# Altium PCB Bran_Main_Assay_PCB_v2_20170826.pcbdoc (part 3 of 4)
Units mm, origin at the board's own origin, x right, y up, seen from the top; angles counter-clockwise.
Board outline 91.65 x 48.25 mm, 6 copper layers (TOP, GND1, Singal, POWER, GND2, BOTTOM), stack 0.8 mm thick; 367 components, 288 nets, 1408 pads, 966 vias.
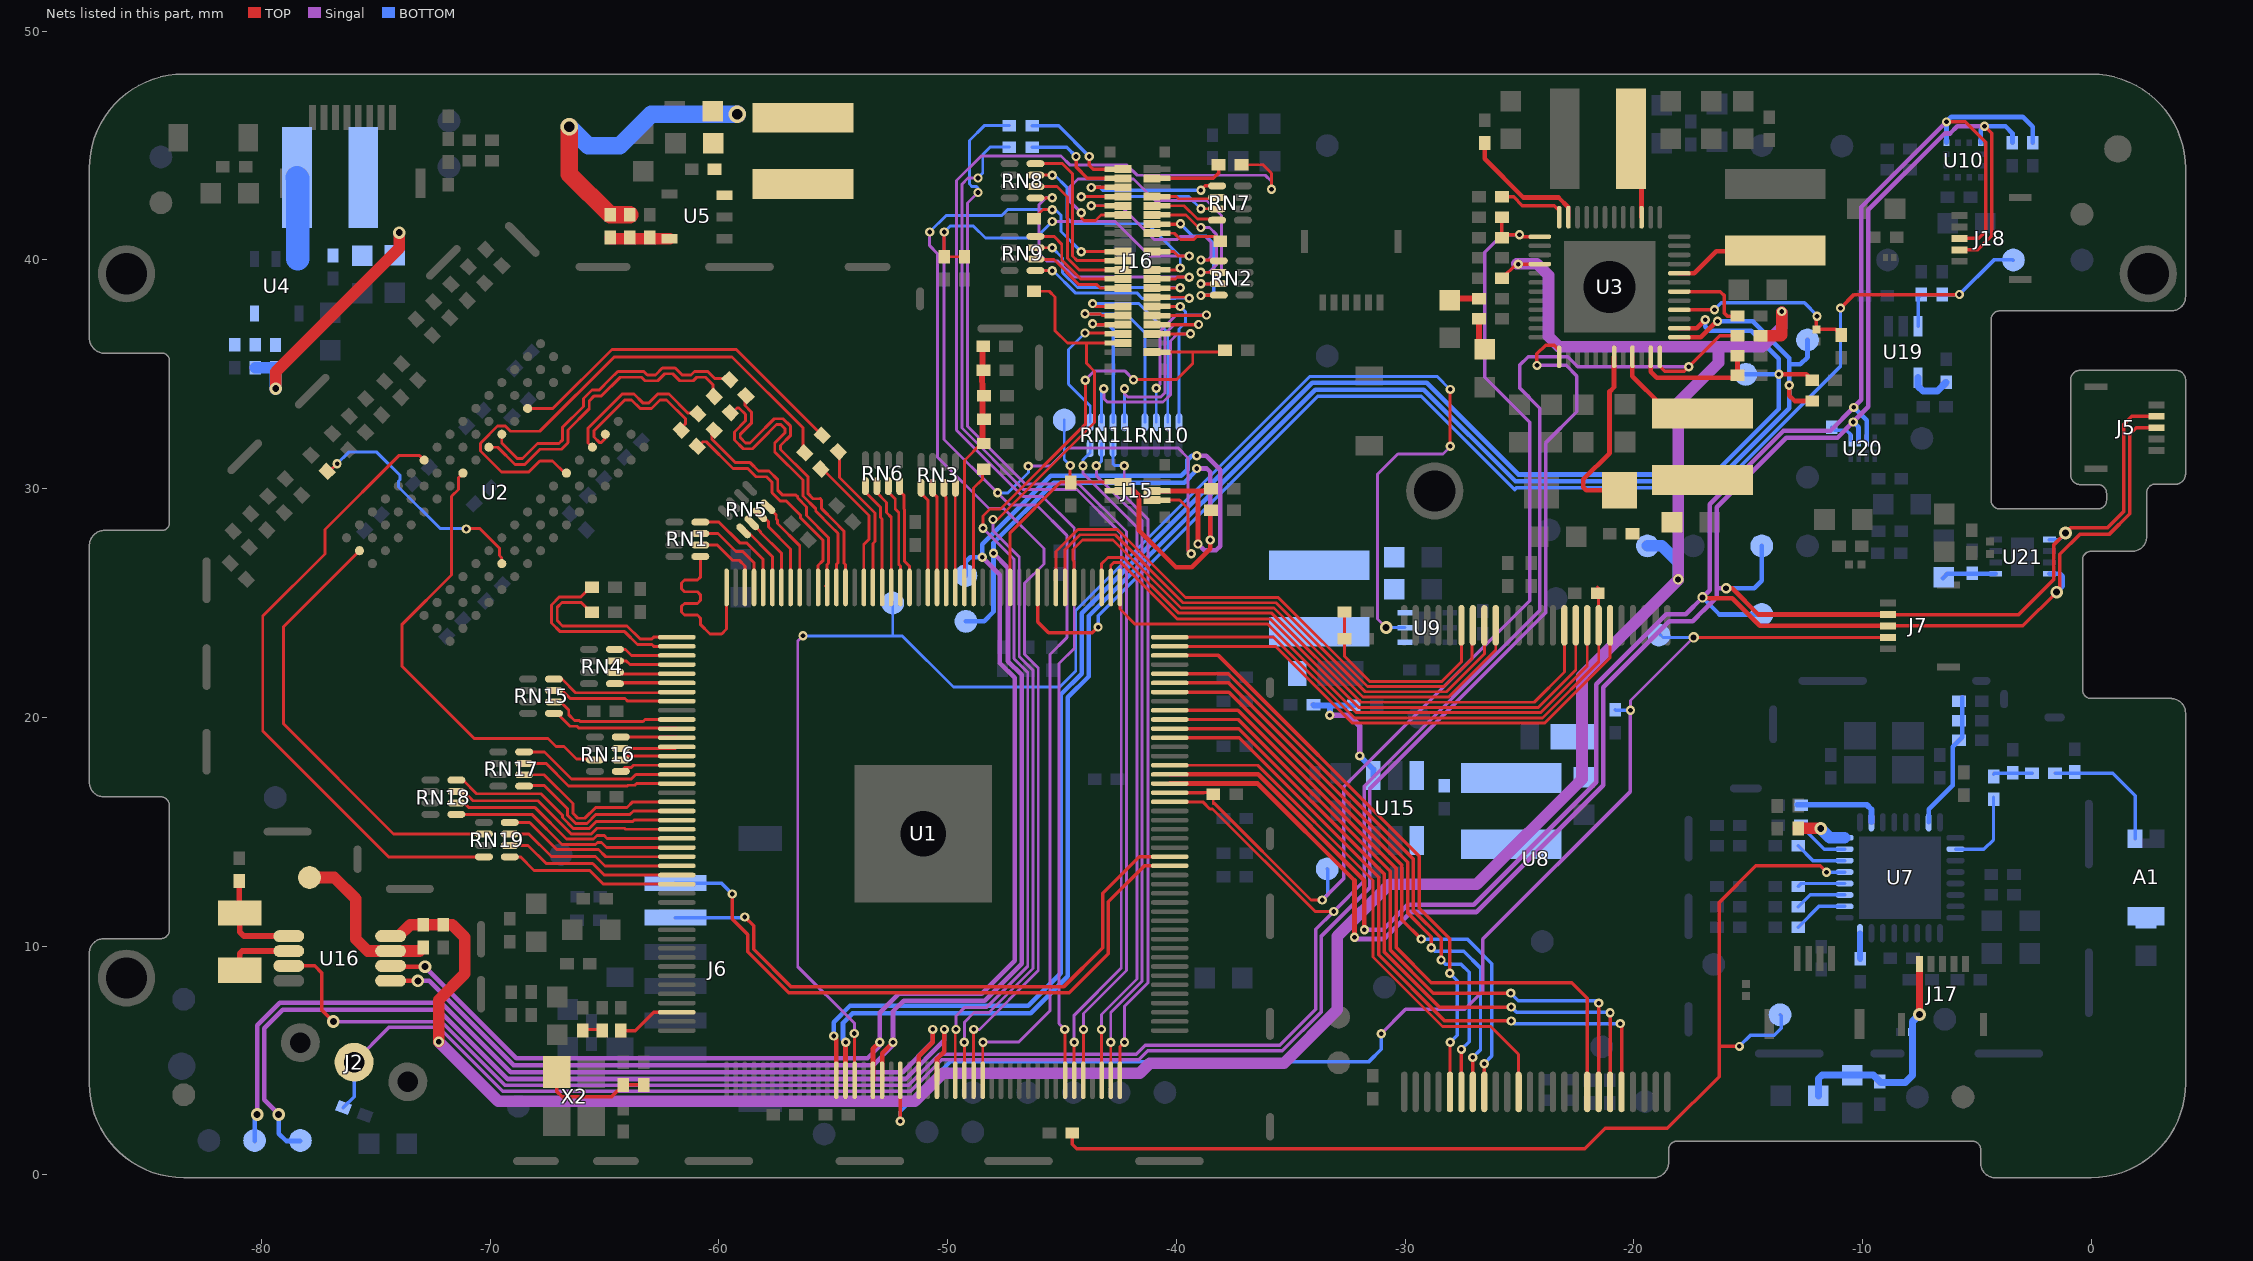
[diagram p7: the nets of this part, all layers, seen from the top]

## Via types
v1: diameter 0.406, hole 0.203, TOP to BOTTOM, tented both sides, 424 vias
v2: diameter 0.457, hole 0.254, TOP to BOTTOM, tented both sides, 256 vias
v3: diameter 0.559, hole 0.305, TOP to BOTTOM, tented both sides, 194 vias
v4: diameter 0.762, hole 0.457, TOP to BOTTOM, tented both sides, 69 vias
v5: diameter 0.61, hole 0.33, TOP to BOTTOM, tented both sides, 11 vias
v6: diameter 0.5, hole 0.2, TOP to BOTTOM, 9 vias
v7: diameter 0.559, hole 0.051, TOP to BOTTOM, tented both sides, 2 vias
v8: diameter 0.508, hole 0.254, TOP to BOTTOM, tented both sides, 1 vias

## Nets (pads, with @x,y where several pads share a name; then routed paths per layer and width w, separated by ;. In a path a pad name is that pad's centre, name@x,y a point inside that pad or via, vN(x,y) a via of type N, cw(c..) or ccw(c..) an arc to the next point about the centre after c; other vN are vias at no path point) (continued)
LCD-D21: RN11.2 U1.132 | length 29.2
  TOP w0.127: U1.132@-42.465,4.133 -42.465,5.6 v1(-42.266,5.799)
  Singal w0.127: v1(-42.277,31.007) -42.277,29.703 -41.24,28.665 -41.24,8.395 -42.266,7.369 v1(-42.266,5.799)
  BOTTOM w0.127: RN11.2@-42.764,31.974 RN11.2@-42.764,31.774 -42.764,31.089 -42.681,31.007 v1(-42.277,31.007)
LCD-D22: RN11.3 U1.131 | length 29.4
  TOP w0.127: U1.131@-42.865,4.133 v1@-42.865,5.798
  Singal w0.127: v1(-43.496,31.009) -43.496,30.569 -42.752,29.825 -41.495,28.596 -41.495,8.464 -42.866,7.092 v1(-42.866,5.799)
  BOTTOM w0.127: v1(-43.496,31.009) -43.496,30.983 -43.483,30.996 -43.264,31.216 RN11.3@-43.264,31.774 RN11.3@-43.264,31.974
LCD-D23: RN11.4 U1.130 | length 29.6
  TOP w0.127: U1.130@-43.265,4.133 v1@-43.265,6.35
  Singal w0.127: v1(-44.08,31.007) -44.08,30.674 -41.723,28.317 -41.723,8.559 -43.273,7.009 v1(-43.273,6.358)
  BOTTOM w0.127: v1(-44.08,31.007) -44.08,31.263 -43.764,31.58 RN11.4@-43.764,31.774 RN11.4@-43.764,31.974
LCD-DE: R44.2 U1.128 | length 48.6
  TOP w0.127: U1.128@-44.065,4.133 -44.06,4.138 v1(-44.06,6.358)
  Singal w0.127: v1(-48.674,42.951) -49.131,42.494 -49.131,32.73 -46.597,30.196 -44.253,30.196 -42.18,28.123 -42.18,8.933 -44.06,7.053 v1(-44.06,6.358)
  BOTTOM w0.127: v1(-48.674,42.951) -48.674,43.151 -48.728,43.205 -48.928,43.205 -49.042,43.32 -49.042,45.229 -48.399,45.872 R44.2@-47.299,45.872
LCD-HSYNC: R46.2 U1.127 | length 48
  TOP w0.127: v1(-44.466,5.799) -44.466,4.134 U1.127@-44.465,4.133
  Singal w0.127: v1@-48.577,43.586 v1(-48.674,43.586) ; v1(-44.466,5.799) -44.466,6.981 -42.409,9.038 -42.409,28.028 -44.348,29.968 -46.692,29.968 -49.376,32.652 -49.376,43.313 -49.103,43.586 ; -49.103,43.586 v1(-48.674,43.586) ; -49.103,43.586 v1(-48.674,43.586)
  BOTTOM w0.127: v1(-48.674,43.586) -48.462,43.799 -48.462,44.616 -48.145,44.933 R46.2@-47.299,44.933
LCD-PWM0: TP26.1 U1.103 U9.5 | length 72.5
  TOP w0.127: v1(-54.077,6.18) -54.077,4.145 U1.103@-54.065,4.133 ; v1(-28.028,31.852) v1(-28.028,34.341)
  Singal w0.127: v1(-56.323,23.565) -56.552,23.336 -56.552,9.1 -54.077,6.625 v1(-54.077,6.18) ; v3(-30.822,23.927) -31.203,24.308 -31.203,30.632 -30.314,31.521 -28.333,31.521 -28.028,31.826 v1(-28.028,31.852)
  BOTTOM w0.127: v1(-56.323,23.565) -51.98,23.565 -49.745,21.329 -45.094,21.329 -44.398,22.026 -44.398,24.67 -34.168,34.9 -28.587,34.9 v1(-28.028,34.341) ; -52.4,23.577 TP26.1@-52.4,25 ; v3(-30.822,23.927) U9.5@-29.994,23.927
LCD-RESET-N: C120.2 J15.5 J16.19 R55.1 U1.117 | length 75.6
  TOP w0.127: v1@-50.151,41.268 v1(-50.151,41.224) C120.2@-50.151,40.143 R55.1@-49.262,40.143 ; U1.117@-48.465,4.133 v1@-48.465,5.788 ; J15.5@-41.065,29.5 J15.5@-40.475,29.5 -39.854,29.5 -39.483,29.129 -39.483,27.283 v1(-39.352,27.152) ; J16.19@-41.065,40.37 J16.19@-40.475,40.37 -40.109,40.37 -39.915,40.176 v1(-39.432,40.176) v1@-39.407,40.176
  Singal w0.127: v1(-50.151,41.224) -50.151,32.156 v1(-47.815,29.82) -47.281,29.286 -46.113,29.286 -44.788,27.961 -44.788,23.485 -45.524,22.748 -45.524,7.175 -46.9,5.799 v1(-48.454,5.799) ; v1(-46.468,30.988) -45.503,30.988 -44.716,31.775 -39.915,31.775 -39.483,31.343 -39.483,27.283 v1(-39.352,27.152) ; v1(-45.423,41.681) -42.671,41.681 -41.166,40.176 v1(-39.432,40.176)
  BOTTOM w0.127: v1(-50.151,41.224) -49.898,41.478 -48.864,41.478 -48.344,40.957 -46.146,40.957 v1(-45.423,41.681) ; v1(-47.815,29.82) -47.357,29.82 -46.468,30.709 v1(-46.468,30.988)
LCD-SPI1_CLK: J16.40 R79.2 U1.115 | length 42.4
  TOP w0.127: U1.115@-49.265,4.133 v1@-49.265,5.797 ; v1(-48.018,28.651) -47.822,28.651 -43.573,32.9 -43.573,35.128 -43.928,35.484 -43.928,36.37 ; R79.2@-46.222,38.633 -45.554,38.633 -45.3,38.379 -45.3,36.906 -44.764,36.37 -43.928,36.37 ; J16.40@-42.335,36.37 J16.40@-42.925,36.37 -43.928,36.37
  Singal w0.127: v1(-49.267,5.799) -49.264,5.802 -49.264,6.51 -49.267,6.514 -49.267,6.672 -48.845,7.094 -48.195,7.094 -46.265,9.024 -46.265,22.061 -46.867,22.663 -46.867,27.011 -48.018,28.162 v1(-48.018,28.651)
LCD-SPI1_CS0: J16.41 R80.2 U1.114 | length 44.4
  TOP w0.127: U1.114@-49.665,4.133 v1@-49.665,6.325 ; v1(-48.45,28.27) -48.45,28.804 -48.145,29.108 -47.688,29.108 -43.979,32.817 v1(-43.979,34.747) ; v1(-41.871,34.766) -39.991,34.766 -39.28,35.477 -39.28,35.97 ; J16.41@-41.065,35.97 J16.41@-40.475,35.97 -39.28,35.97 ; R80.2@-37.875,36.061 -37.966,35.97 -39.28,35.97
  Singal w0.127: v1(-49.632,6.358) -49.632,6.942 -49.251,7.323 -48.29,7.323 -46.494,9.119 -46.494,21.966 -47.095,22.568 -47.095,26.916 v1(-48.45,28.27) ; v1(-43.979,34.747) -43.573,35.154 -42.258,35.154 v1(-41.871,34.766)
LCD-SPI1_MOSI: J16.20 R81.2 U1.116 | length 52.5
  TOP w0.127: U1.116@-48.865,4.133 v1@-48.865,6.353 ; R81.2@-46.222,41.808 -45.829,42.202 v1(-45.423,42.202) ; v1@-44.143,40.37 J16.20@-42.925,40.37 J16.20@-42.335,40.37
  Singal w0.127: v1@-50.786,41.3 -50.785,41.299 v1(-50.786,41.224) -50.785,40.625 -50.449,40.288 -50.449,31.391 -48.191,29.134 -47.543,29.134 -45.79,27.381 -45.79,26.713 -46.638,25.865 -46.638,22.757 -46.037,22.156 -46.037,8.929 -48.608,6.358 v1(-48.861,6.358)
  BOTTOM w0.127: v1(-50.786,41.224) -50.063,41.948 -47.633,41.948 -47.366,42.215 -45.423,42.215 -45.3,42.215 -45.042,41.957 -45.042,41.249 v1(-44.153,40.36)
LCD-VSYNC: R45.2 U1.126 | length 59.5
  TOP w0.127: v1(-44.873,6.358) -44.865,6.35 U1.126@-44.865,4.133 ; R45.2@-37.154,44.164 -36.213,44.164 -35.838,43.789 v1(-35.838,43.091)
  Singal w0.127: v1(-44.873,6.358) -45.124,6.608 -45.124,22.351 -44.463,23.011 -44.463,27.436 -44.462,27.437 -44.462,28.277 -45.848,29.663 -46.71,29.663 -49.605,32.557 -49.605,43.479 -48.532,44.552 -45.046,44.552 -44.64,44.145 -42.151,44.145 -41.711,43.705 -36.109,43.705 -35.838,43.434 v1(-35.838,43.091)
LDO_1V8_EN: R199.2 R210.1 TP2.1 U1.10 U19.3 | length 59.4
  TOP w0.152: U1.10@-46.065,25.683 -46.065,24.172 -45.587,23.694 -43.674,23.694 v1(-43.42,23.948) ; v1(-10.959,37.897) -10.367,38.489 v1(-5.76,38.489)
  BOTTOM w0.152: v1(-43.42,23.948) -43.42,24.444 -33.815,34.049 -29.295,34.049 -25.206,29.959 -25.126,30.039 -16.271,30.039 -10.959,35.351 v1(-10.959,37.897) ; U19.3@-7.566,37.107 -7.566,38.352 R199.2@-7.429,38.489 R210.1@-6.514,38.489 v1(-5.76,38.489) -4.249,40 -3.423,40 -3.411,39.989 TP2.1@-3.4,39.977
LRADC: R181.1 U1.86 | length 2.8
  TOP w0.152: R181.1@-64.295,6.307 -63.657,6.307 -62.856,7.108 U1.86@-61.84,7.108
N495906: D4.2 R28.1 U3.4 | length 8.2
  TOP w0.152: U3.4@-18.007,37.819 v1@-16.473,37.819 ; v1(-11.989,37.541) -12.014,37.516 D4.2@-12.014,36.968 -11.177,36.968 R28.1@-10.93,36.72
  BOTTOM w0.152: v1(-16.471,37.821) -16.166,38.125 -12.534,38.125 v1@-11.969,37.561
N496392: C42.1 C44.1 L1.1 R11.2 U3.43 | length 7.9
  TOP w0.203: U3.43@-20.857,35.769 -20.863,35.763 -20.863,34.46 -20.857,34.453 -20.857,34.447 -21.057,34.247 -21.057,31.549 -22.2,30.406 -22.2,30.056 -22.073,29.929 R11.2@-20.617,29.929
N496496: L2.1 U3.8 | length 4.6
  TOP w0.203: U3.8@-18.007,39.419 -17.346,39.419 -16.39,40.375 -13.86,40.375 L2.1@-13.818,40.417
N496956: C70.2 R22.1 U3.47 | length 5.5
  TOP w0.152: U3.47@-19.257,35.687 U3.47@-19.257,35.769
  TOP w0.203: U3.47@-19.257,35.687 -19.257,35.12 -18.993,34.857 -15.555,34.857 C70.2@-15.461,34.95 R22.1@-15.461,35.817
N497310: C62.2 U3.24 | length 3
  TOP w0.152: C62.2@-25.764,42.756 -25.248,42.756 -24.867,42.375 -23.47,42.375 ; -23.473,42.378 -23.47,42.375 ; U3.24@-23.257,41.869 -23.257,42.162 -23.47,42.375
N497342: R19.2 U3.23 | length 5.7
  TOP w0.203: R19.2@-26.518,45.114 -26.518,44.421 -24.827,42.731 -23.29,42.731 -22.857,42.298 U3.23@-22.857,41.869
N497492: L4.1 U3.15 | length 3.5
  TOP w0.203: L4.1@-20.549,44.989 -20.549,44.788 -19.657,43.896 U3.15@-19.657,41.869
N497618: L1.2 U3.45 | length 4.1
  TOP w0.203: U3.45@-20.057,35.769 -20.057,34.923 L1.2@-18.771,33.638 ; L1.2@-18.797,33.638 L1.2@-18.771,33.638 ; L1.2@-17.382,33.638 L1.2@-18.771,33.638
N499368: C43.1 C51.1 C52.1 L3.1 L13.2 R13.2 | length 10.9
  TOP w0.508: v3(-79.375,34.374) -79.375,35.107 -73.976,40.506 v3(-73.976,41.192)
  BOTTOM w0.508: R13.2@-80.275,35.29 -79.392,35.29 C43.1@-79.386,35.284 -79.386,34.374 v3@-79.386,34.36
N499376: C43.2 R12.2 R13.1 U4.5
N499488: L3.2 U4.3 | length 3.6
  BOTTOM w1.016: L3.2@-78.449,43.605 -78.411,43.567 U4.3@-78.411,40.049
N502826: C58.1 C65.1 C66.1 L5.1 L12.2 R18.2 | length 13.7
  TOP w0.762: v4(-66.534,45.822) -66.534,43.756 R18.2@-64.756,41.978 C58.1@-63.893,41.978
  BOTTOM w0.762: v4(-66.534,45.822) -65.715,45.002 -64.331,45.002 -62.96,46.374 v4(-59.193,46.374)
N502890: C58.2 R17.2 R18.1 U5.5 | length 2.6
  TOP w0.508: R18.1@-64.756,40.978 -64.706,40.928 -63.893,40.928 -63.029,40.928 U5.5@-62.152,40.928
N502982: L5.2 U5.3
N16922120: C54.1 R15.2 | length 1.3
  TOP w0.254: C54.1@-28.042,38.248 -27.979,38.311 R15.2@-26.764,38.311
N16974975: J16.3 R45.1 | length 3.4
  TOP w0.152: J16.3@-41.065,43.57 J16.3@-40.475,43.57 -38.382,43.57 -38.154,43.798 R45.1@-38.154,44.164
N16974977: J16.4 R46.1 | length 4.8
  TOP w0.152: v1(-44.386,44.526) -44.386,44.069 -43.887,43.57 J16.4@-42.925,43.57 J16.4@-42.335,43.57
  BOTTOM w0.152: R46.1@-46.299,44.933 -44.792,44.933 v1(-44.386,44.526)
N16975074: J16.2 R44.1 | length 5
  TOP w0.152: v1(-43.801,44.526) -43.801,44.145 -43.626,43.97 J16.2@-42.925,43.97 J16.2@-42.335,43.97
  BOTTOM w0.152: R44.1@-46.299,45.872 -45.148,45.872 v1(-43.801,44.526)
N16976082: J16.6 RN7.5 | length 7
  TOP w0.152: v1@-43.696,43.17 J16.6@-42.925,43.17 J16.6@-42.335,43.17 ; v1(-38.924,43.046) -38.733,43.238 RN7.5@-38.219,43.238
  BOTTOM w0.152: v1(-43.725,43.17) -43.331,43.17 -43.207,43.046 v1(-38.924,43.046)
N16976085: J16.7 RN7.6 | length 2.9
  TOP w0.127: J16.7@-41.065,42.77 J16.7@-40.475,42.77 -39.991,42.77 -39.899,42.678 -38.279,42.678 RN7.6@-38.219,42.738
N16976088: J16.8 RN7.7 | length 8
  TOP w0.127: v1@-44.15,42.77 J16.8@-42.925,42.77 J16.8@-42.335,42.77 ; v1@-39,42.234 v1(-38.924,42.234) -38.92,42.238 RN7.7@-38.219,42.238
  BOTTOM w0.127: v1(-44.153,42.767) -39.458,42.767 v1(-38.924,42.234)
N16976091: J16.9 RN7.8 | length 3.1
  TOP w0.127: J16.9@-41.065,42.37 J16.9@-40.475,42.37 -39.658,42.37 -39.077,41.789 -38.271,41.789 RN7.8@-38.219,41.738
N16976439: J16.15 R54.1 | length 3.2
  TOP w0.127: J16.15@-41.065,41.17 J16.15@-40.475,41.17 -40.093,41.17 -39.823,40.9 -39.235,40.9 -39.108,41.027 -38.294,41.027 R54.1@-38.078,40.811
N16977236: J16.25 RN8.5 | length 12.6
  TOP w0.127: RN8.5@-46.144,42.723 RN8.5@-46.157,42.709 -45.423,42.709 -45.415,42.709 -45.412,42.712 v1@-45.402,42.723 ; J16.25@-41.065,39.17 J16.25@-40.475,39.17 -40.029,39.17 -39.95,39.249 v1(-39.432,39.249)
  Singal w0.127: v1@-45.402,42.723 v1(-45.423,42.723) ; v1(-39.432,39.249) -44.464,39.249 -45.169,39.954 -45.677,39.954 -46.007,40.284 -46.007,42.418 -45.702,42.723 ; -45.702,42.723 v1(-45.423,42.723) ; -45.702,42.723 v1(-45.423,42.723)
N16977237: J16.24 RN8.6 | length 6.5
  TOP w0.127: RN8.6@-45.802,43.209 -45.22,43.209 -44.762,42.752 -44.762,40.076 -44.256,39.57 J16.24@-42.925,39.57 J16.24@-42.335,39.57
N16977238: J16.23 RN8.7 | length 10.4
  TOP w0.127: RN8.7@-46.157,43.709 v1(-45.423,43.709) v1@-45.321,43.709 ; J16.23@-41.065,39.57 J16.23@-40.475,39.57 -39.905,39.57 v1(-39.826,39.649)
  BOTTOM w0.127: v1@-45.321,43.709 -44.788,43.176 -44.788,41.859 -44.515,41.586 -41.255,41.586 -39.826,40.157 v1(-39.826,39.649)
N16977239: J16.22 RN8.8 | length 7.7
  TOP w0.127: RN8.8@-46.157,44.209 -44.97,44.209 -44.534,43.773 -44.534,40.171 -44.333,39.97 J16.22@-42.925,39.97 J16.22@-42.335,39.97
N16977240: J16.29 RN9.5 | length 8.8
  TOP w0.127: RN9.5@-46.157,39.534 v1(-45.423,39.534) v1@-45.388,39.534 ; J16.29@-41.065,38.37 J16.29@-40.475,38.37 v1@-39.48,38.37
  BOTTOM w0.127: v1@-45.382,39.534 -45.388,39.534 -44.417,38.563 -41.731,38.563 -41.49,38.322 -40.029,38.322 -40.017,38.335 -39.445,38.335 v1(-39.432,38.322)
N16977241: J16.28 RN9.6 | length 4.3
  TOP w0.127: RN9.6@-46.157,40.034 -46.141,40.019 -45.351,40.019 -44.252,38.919 -43.476,38.919 -43.327,38.77 J16.28@-42.925,38.77 J16.28@-42.335,38.77
N16977242: J16.27 RN9.7 | length 8.7
  TOP w0.127: RN9.7@-46.157,40.534 -45.423,40.534 v1@-45.38,40.534 ; J16.27@-41.065,38.77 J16.27@-40.475,38.77 v1@-39.841,38.77
  BOTTOM w0.127: v1(-45.423,40.538) -44.97,40.085 -44.97,39.445 -44.316,38.792 -39.832,38.792 v1(-39.826,38.786)
N16977243: J16.26 RN9.8 | length 5
  TOP w0.127: RN9.8@-46.157,41.034 -45.351,41.034 -45.008,40.691 -45.008,39.998 -44.18,39.17 J16.26@-42.925,39.17 J16.26@-42.335,39.17
N16977551: J16.34 RN10.5 | length 8.6
  TOP w0.127: v1(-43.991,37.643) -43.327,37.643 -43.255,37.57 J16.34@-42.925,37.57 J16.34@-42.335,37.57
  BOTTOM w0.127: v1(-43.991,37.643) -42.189,37.643 -41.376,36.83 RN10.5@-41.376,32.904
N16977552: J16.33 RN10.6 | length 8.7
  TOP w0.127: J16.33@-41.065,37.57 J16.33@-40.475,37.57 v1@-38.705,37.57
  Singal w0.127: v1(-40.88,34.385) -40.715,34.55 -40.715,36.881 -40.004,37.592 v1(-38.683,37.592)
  BOTTOM w0.127: v1(-40.88,34.385) -40.876,34.381 RN10.6@-40.876,32.904
N16977553: J16.32 RN10.7 | length 9.1
  TOP w0.127: v1(-43.661,38.093) -43.538,37.97 J16.32@-42.925,37.97 J16.32@-42.335,37.97
  BOTTOM w0.127: v1(-43.661,38.093) -41.642,38.093 -40.376,36.827 RN10.7@-40.376,32.904
N16977554: J16.31 RN10.8 | length 7.1
  TOP w0.127: J16.31@-41.065,37.97 -41.061,37.966 -40.475,37.966 v1@-39.864,37.966 ; J16.31@-40.475,37.97 v1@-39.868,37.97
  BOTTOM w0.127: RN10.8@-39.876,32.904 -39.876,36.983 -39.597,37.262 -39.597,37.738 v1(-39.826,37.966)
N16977555: J16.38 RN11.5 | length 6.9
  TOP w0.127: v1(-43.991,36.804) -42.925,36.804 -42.369,36.804 J16.38@-42.335,36.77 J16.38@-42.925,36.77
  BOTTOM w0.127: v1(-43.991,36.804) -44.716,36.08 -44.716,34.569 -43.764,33.617 RN11.5@-43.764,32.904
N16977556: J16.37 RN11.6 | length 10.1
  TOP w0.127: J16.37@-41.065,36.77 J16.37@-40.475,36.77 v1(-39.379,36.77)
  Singal w0.127: v1(-43.166,34.372) -43.166,33.934 -43.02,33.788 -40.576,33.788 -40.258,34.107 -40.258,36.455 -39.943,36.77 v1(-39.379,36.77)
  BOTTOM w0.127: RN11.6@-43.293,32.934 RN11.6@-43.264,32.904 -43.264,34.274 v1(-43.166,34.372)
N16977557: J16.36 RN11.7 | length 6.2
  TOP w0.152: v1@-43.573,37.16 -43.563,37.17 J16.36@-42.925,37.17 J16.36@-42.335,37.17
  BOTTOM w0.152: v1@-43.573,37.16 -42.963,37.16 -42.764,36.961 RN11.7@-42.764,32.904
  other v1: -43.661,37.211
N16977558: J16.35 RN11.8 | length 9.8
  TOP w0.152: J16.35@-41.065,37.17 J16.35@-40.475,37.17 -39.035,37.17 v1(-39.026,37.179)
  Singal w0.127: v1(-42.264,34.372) -42.264,34.149 -42.131,34.017 -40.671,34.017 -40.486,34.202 -40.486,36.785 -40.093,37.179 v1(-39.026,37.179)
  BOTTOM w0.127: RN11.8@-42.264,32.904 v1(-42.264,34.372)
N16978242: J16.10 RN2.5 | length 9.4
  TOP w0.127: v1(-43.725,42.367) -43.731,42.367 -43.734,42.37 -43.725,42.37 J16.10@-42.925,42.37 J16.10@-42.335,42.37 ; v1(-38.924,39.998) -38.18,39.998 RN2.5@-38.143,39.961
  Singal w0.127: v1(-43.725,42.367) -43.731,42.367 -43.734,42.37 -43.725,42.37 -42.439,42.37 -40.956,40.887 -39.978,40.887 -39.839,41.027 -38.74,41.027 -38.48,40.767 -38.48,40.138 -38.619,39.998 v1(-38.924,39.998)
N16978245: J16.11 RN2.6 | length 6.1
  TOP w0.127: J16.11@-41.065,41.97 J16.11@-40.475,41.97 -39.581,41.97 -39.032,41.421 v1(-38.924,41.421) ; v1(-38.924,39.465) -38.147,39.465 RN2.6@-38.143,39.461
  Singal w0.127: v1(-38.924,39.465) -38.569,39.465 -38.251,39.783 -38.251,41.122 -38.55,41.421 v1(-38.924,41.421)
N16978418: J16.12 RN2.7 | length 15.4
  TOP w0.127: v1(-44.153,42.062) -44.153,41.843 -44.042,41.732 -43.534,41.732 -43.296,41.97 J16.12@-42.925,41.97 J16.12@-42.335,41.97 ; v1(-38.924,38.957) -38.147,38.957 RN2.7@-38.143,38.961
  Singal w0.127: v1(-44.153,42.062) -44.677,42.587 -44.677,43.154 -44.293,43.538 -41.868,43.538 -40.931,42.602 -38.677,42.602 -38.022,41.948 -38.022,39.402 -38.467,38.957 v1(-38.924,38.957)
N16978424: J16.13 RN2.8 | length 6.6
  TOP w0.152: J16.13@-41.065,41.57 J16.13@-40.475,41.57 -39.823,41.57 v1(-39.814,41.58) ; v1(-38.924,38.449) -38.155,38.449 RN2.8@-38.143,38.461
  BOTTOM w0.152: v1(-39.814,41.58) -39.814,41.568 -39.285,41.04 -38.689,41.04 -38.365,40.716 -38.365,38.601 -38.518,38.449 v1(-38.924,38.449)
N16998285: C38.2 R9.2 X2.3 | length 5
  TOP w0.152: X2.3@-67.083,4.495 -67.083,3.643 -67.085,3.643 -66.853,3.411 -64.694,3.411 -64.182,3.923 -64.178,3.927 R9.2@-63.297,3.927
N17029739: R74.2 U2.C7 | length 6.9
  TOP w0.127: U2.C7@-65.533,31.814 -65.721,32.002 -65.721,32.641 -64.226,34.136 -63.714,34.136 -63.333,33.755 -63.057,33.755 -62.676,34.136 -62.186,34.136 -61.363,33.312 R74.2@-60.96,33.312
N17029768: R75.2 U2.B7 | length 6.9
  TOP w0.127: U2.B7@-64.967,32.379 -64.967,32.197 -65.136,32.027 -65.23,32.027 -65.467,32.264 -65.467,32.535 -64.12,33.882 -63.819,33.882 -63.438,33.501 -62.952,33.501 -62.571,33.882 -62.292,33.882 -61.453,33.043 -61.453,32.845 R75.2@-61.697,32.601
N17030637: R73.2 U2.G3 | length 13.2
  TOP w0.127: U2.G3@-70.058,31.813 -69.671,31.813 -68.92,31.062 -68.485,31.062 -67.825,31.723 -66.88,31.723 -66.591,32.012 -66.591,32.57 -65.67,33.491 -65.67,33.836 -65.447,34.059 -65.127,34.059 -64.314,34.872 -63.388,34.872 -63.235,34.72 -62.673,34.72 -62.368,35.025 -62.016,35.025 -61.711,34.72 -61.119,34.72 -60.967,34.872 -60.59,34.872 -60.249,34.532 R73.2@-60.249,34.074
N17030639: R72.2 U2.F3 | length 13.2
  TOP w0.127: U2.F3@-69.492,32.379 -69.492,31.994 -68.815,31.316 -68.591,31.316 -67.93,31.977 -66.986,31.977 -66.845,32.117 -66.845,32.675 -65.924,33.597 -65.924,33.942 -65.552,34.313 -65.232,34.313 -64.755,34.79 -64.42,35.126 -63.282,35.126 -63.13,34.974 -62.778,34.974 -62.473,35.279 -61.911,35.279 -61.606,34.974 -61.225,34.974 -61.072,35.126 -60.484,35.126 -60.169,34.811 R72.2@-59.563,34.811
N17030675: R77.2 U2.D3 | length 15.4
  TOP w0.127: U2.D3@-68.361,33.511 -67.26,33.511 -64.679,36.091 -59.242,36.091 R77.2@-55.525,32.373
N17030677: R76.2 U2.E7 | length 23.1
  TOP w0.127: U2.E7@-66.664,30.682 -66.738,30.682 -67.27,31.215 -67.829,31.215 -68.311,30.732 -69.505,30.732 -70.206,31.432 -70.427,31.643 -70.427,31.983 -70.394,32.017 -69.677,32.744 -69.341,32.744 -69.106,32.51 -67.829,32.51 -64.578,35.761 -59.421,35.761 -56.322,32.662 -56.322,31.646 R76.2@-56.287,31.611
N17031032: R71.2 U2.L8 | length 10.7
  TOP w0.127: R71.2@-77.085,30.717 v1(-76.693,31.088) ; v1(-71.044,28.236) -71.014,28.266 -70.468,28.266 -69.599,27.396 -69.599,27.079 -69.492,26.973 U2.L8@-69.492,26.722
  BOTTOM w0.127: v1(-76.693,31.088) -76.185,31.596 -74.958,31.596 -73.949,30.586 -73.949,30.382 -74.003,30.328 -74.003,30.08 -72.189,28.266 -71.074,28.266 v1(-71.044,28.236)
N17176459: R151.2 U3.6 | length 3.4
  TOP w0.152: U3.6@-18.007,38.619 -17.12,38.619 ; -17.111,38.619 -16.214,38.619 -16.033,38.438 -16.033,37.669 -15.913,37.549 R151.2@-15.461,37.549
N17436294: R156.1 U7.2 | length 3.7
  BOTTOM w0.145: U7.2@-5.932,14.237 -4.685,14.237 -4.266,14.657 R156.1@-4.266,16.416 R156.1@-4.266,16.518
N17436340: C213.1 C215.1 R156.2 | length 1.7
  BOTTOM w0.145: R156.2@-4.266,17.518 -4.232,17.551 -3.428,17.551 C213.1@-2.581,17.551
N17436479: A1.3@1.925,14.7 C213.2 C216.1 | length 5.8
  BOTTOM w0.145: C213.2@-1.581,17.551 -0.71,17.551 0.954,17.551 1.925,16.58 A1.3@1.925,14.7
N17436778: A1.2 R160.1
N17439379: R204.1 U7.26 | length 3.9
  BOTTOM w0.254: R204.1@-12.847,16.18 -12.68,16.18 -9.812,16.18 -9.607,15.975 U7.26@-9.607,15.412
N17493110: C1.1 R2.2 | length 0.8
  TOP w0.127: R2.2@-65.946,6.358 C1.1@-65.133,6.358
N17550444: C225.1 C227.1 D18.1 L18.1 U15.6
N17550467: L18.2 U15.1
N17550469: R188.2 R189.1 U15.4 | length 6.1
  Singal w0.254: v1(-33.286,20.091) -32.448,20.091 -31.979,19.623 v1(-31.979,18.316)
  BOTTOM w0.254: R188.2@-34.005,20.549 -33.98,20.523 -33.286,20.523 ; v1(-33.286,20.091) -33.286,20.523 ; R189.1@-32.236,20.523 -33.286,20.523 ; v1(-31.979,18.316) -31.38,17.717 U15.4@-31.38,17.452
N17556983: R194.1 TP5.1 U16.7 | length 7.4
  TOP w0.508: TP5.1@-77.9,13 -76.817,13 -75.882,12.065 -75.882,10.312 -75.355,9.785 U16.7@-74.356,9.785 -73.089,9.785 R194.1@-72.935,9.939
N17556994: C32.2 U16.1 X3.2 | length 4.5
  TOP w0.254: C32.2@-80.976,12.847 -80.976,11.472 X3.2@-80.95,11.447 -80.95,10.62 -80.766,10.435 U16.1@-78.806,10.435
N17557015: U16.2 X3.1 | length 2.9
  TOP w0.254: X3.1@-80.95,8.947 -80.95,9.68 -80.845,9.785 U16.2@-78.806,9.785
N17569799: C237.1 U19.4 | length 1.9
  BOTTOM w0.305: U19.4@-7.566,34.857 -7.566,34.478 -7.352,34.265 -6.725,34.265 C237.1@-6.336,34.654
N17725418: R201.2 U7.24 | length 2.2
  TOP w0.508: R201.2@-12.813,15.146 -11.831,15.146 v3(-11.823,15.138)
  BOTTOM w0.508: v3(-11.823,15.138) -11.422,14.737 U7.24@-10.782,14.737
N17726905: C245.2 R155.2 R202.2 U7.31 | length 6.1
  BOTTOM w0.203: U7.31@-7.107,15.412 -7.107,15.975 -6.057,17.025 -6.057,18.712 -5.776,18.993 -5.643,19.126 -5.643,19.863 -5.643,20.701 R155.2@-5.643,20.879